# Allegro board SG2042_EVB_V2_0.brd (continued)
## Nets (continued)
ASM2812_PCIE_TX0_N: C6259.1 U1.BR45
ASM2812_PCIE_TX0_P: C6258.1 U1.BT45
ASM2812_PCIE_TX1_N: C6261.1 U1.BN44
ASM2812_PCIE_TX1_P: C6260.1 U1.BP44
ASM2812_PCIE_TX2_N: C6263.1 U1.BR43
ASM2812_PCIE_TX2_P: C6262.1 U1.BT43
ASM2812_PCIE_TX3_N: C6265.1 U1.BN42
ASM2812_PCIE_TX3_P: C6264.1 U1.BP42
ASM2812_PCIE_TX4_N: C6267.1 U1.BR41
ASM2812_PCIE_TX4_P: C6266.1 U1.BT41
ASM2812_PCIE_TX5_N: C6269.1 U1.BN40
ASM2812_PCIE_TX5_P: C6268.1 U1.BP40
ASM2812_PCIE_TX6_N: C6271.1 U1.BR39
ASM2812_PCIE_TX6_P: C6270.1 U1.BT39
ASM2812_PCIE_TX7_N: C6273.1 U1.BN38
ASM2812_PCIE_TX7_P: C6272.1 U1.BP38
ASM2812_VCC3.3V: C5687.1 C5732.1 C5733.1 C5734.1 C5735.1 C5736.1 C5737.1 FB2029.2 R12509.1 R12510.2 R12512.2 R12513.2 R12514.1 R12517.2 R12518.2 R12718.2 R12719.2 R12720.2 R13030.2 U3235.A19 U3235.AA8 U3235.AA9 U3235.B19 U3235.C19 U3235.D19 U3235.E19 U3235.F19 U3235.W22 U3235.Y22 U3236.8
BISR_BYP: R117.1 R131.2 U1.D41
BOOT_SEL0: R104.1 R119.2 U1.J17
BOOT_SEL1: R112.1 R120.2 U1.C16
BOOT_SEL2: R108.1 R121.2 U1.H16
BOOT_SEL3: R111.1 R122.2 U1.B16
BOOT_SEL4: R113.1 R123.2 U1.J16
BOOT_SEL5: R116.1 R125.2 U1.D16
BOOT_SEL6: R109.1 R126.2 U1.G18
BOOT_SEL7: R106.1 R127.2 U1.F17
CLKIN_SEL0: R2111.2 R2112.1 U17.15
CLKIN_SEL1: R2113.2 R2114.1 U17.18
CORPOWER_OK: R2067.1 R2075.2
CS0: R2537.2 U3262.31
CS1: R2563.2 U3263.31
CS2: R2564.2 U3264.31
CS3: R2565.2 U3265.31
CS4: R2566.2 U3266.31
CS5: R2567.2 U3267.31
CS6: R2555.2 U3268.31
DAC_VDD12A: C6172.1 C6173.1 C6176.1 C6177.1 C6181.1 C6189.1 C6197.1 C6198.1 C6199.1 C6200.1 C6201.1 C6207.1 C6208.1 C6209.1 C6211.1 C6224.1 C6225.2 C6226.2 L1037.2 R12973.2 R12986.2 T100.1(TP) U3273.A8 U3273.A10 U3273.B8 U3273.B10 U3273.B17 U3273.B21 U3273.C9 U3273.J10 U3273.J11 U3273.K10 U3273.L10 U3273.M10 U3273.N10 U3273.N11 U3273.P10 U3273.P11 U3273.P18 U3273.P23 U3273.R11 U3273.U21
DDR0_ACT_N: J1.62 U1.BB55
DDR0_ALERT_N: J1.208 R2241.1 U1.AV51
DDR0_ATB0: T11.1(TP) U1.BD48
DDR0_ATB1: T12.1(TP) U1.BC48
DDR0_BA0: J1.81 U1.BE55
DDR0_BA1: J1.224 U1.BD54
DDR0_BG0: J1.63 U1.BC55
DDR0_BG1: J1.207 U1.AV52
DDR0_CAL_0: R701.1 T10.1(TP) U1.BA49
DDR0_CID0: J1.93 U1.BG52
DDR0_CID1: J1.237 U1.BF51
DDR0_CKE0: J1.60 U1.AU50
DDR0_CKE1: J1.203 U1.AU51
DDR0_CLK0_N: J1.75 U1.BB52
DDR0_CLK0_P: J1.74 U1.BB53
DDR0_CLK1_N: J1.219 U1.BC53
DDR0_CLK1_P: J1.218 U1.BC54
DDR0_CS_N0: J1.84 U1.BF56
DDR0_CS_N1: J1.89 U1.BG55
DDR0_DM0_N: J1.8 U1.AJ55
DDR0_DM0_P: J1.7 U1.AJ56
DDR0_DM1_N: J1.19 U1.AP56
DDR0_DM1_P: J1.18 U1.AP55
DDR0_DM2_N: J1.30 U1.AK49
DDR0_DM2_P: J1.29 U1.AK50
DDR0_DM3_N: J1.41 U1.AP52
DDR0_DM3_P: J1.40 U1.AP51
DDR0_DM4_N: J1.100 U1.BJ54
DDR0_DM4_P: J1.99 U1.BJ53
DDR0_DM5_N: J1.111 U1.BT54
DDR0_DM5_P: J1.110 U1.BR54
DDR0_DM6_N: J1.122 U1.BJ49
DDR0_DM6_P: J1.121 U1.BJ50
DDR0_DM7_N: J1.133 U1.BT49
DDR0_DM7_P: J1.132 U1.BR49
DDR0_DQ0: J1.5 U1.AL53
DDR0_DQ1: J1.150 U1.AL55
DDR0_DQ2: J1.12 U1.AK56
DDR0_DQ3: J1.157 U1.AL56
DDR0_DQ4: J1.3 U1.AG54
DDR0_DQ5: J1.148 U1.AH53
DDR0_DQ6: J1.10 U1.AG55
DDR0_DQ7: J1.155 U1.AH55
DDR0_DQ8: J1.16 U1.AN53
DDR0_DQ9: J1.161 U1.AT53
DDR0_DQ10: J1.23 U1.AT55
DDR0_DQ11: J1.168 U1.AT56
DDR0_DQ12: J1.14 U1.AM55
DDR0_DQ13: J1.159 U1.AM54
DDR0_DQ14: J1.21 U1.AN55
DDR0_DQ15: J1.166 U1.AR56
DDR0_DQ16: J1.27 U1.AL51
DDR0_DQ17: J1.172 U1.AL49
DDR0_DQ18: J1.34 U1.AK52
DDR0_DQ19: J1.179 U1.AL52
DDR0_DQ20: J1.25 U1.AG50
DDR0_DQ21: J1.170 U1.AH49
DDR0_DQ22: J1.32 U1.AH51
DDR0_DQ23: J1.177 U1.AG52
DDR0_DQ24: J1.38 U1.AT49
DDR0_DQ25: J1.183 U1.AT51
DDR0_DQ26: J1.45 U1.AR52
DDR0_DQ27: J1.190 U1.AT52
DDR0_DQ28: J1.36 U1.AM50
DDR0_DQ29: J1.181 U1.AN49
DDR0_DQ30: J1.43 U1.AM52
DDR0_DQ31: J1.188 U1.AN51
DDR0_DQ32: J1.97 U1.BJ56
DDR0_DQ33: J1.242 U1.BH56
DDR0_DQ34: J1.104 U1.BH55
DDR0_DQ35: J1.249 U1.BH53
DDR0_DQ36: J1.95 U1.BL53
DDR0_DQ37: J1.240 U1.BL55
DDR0_DQ38: J1.102 U1.BM55
DDR0_DQ39: J1.247 U1.BM54
DDR0_DQ40: J1.108 U1.BN55
DDR0_DQ41: J1.253 U1.BP56
DDR0_DQ42: J1.115 U1.BR56
DDR0_DQ43: J1.260 U1.BR55
DDR0_DQ44: J1.106 U1.BN52
DDR0_DQ45: J1.251 U1.BR52
DDR0_DQ46: J1.113 U1.BT53
DDR0_DQ47: J1.258 U1.BT52
DDR0_DQ48: J1.119 U1.BH51
DDR0_DQ49: J1.264 U1.BH52
DDR0_DQ50: J1.126 U1.BJ52
DDR0_DQ51: J1.271 U1.BL51
DDR0_DQ52: J1.117 U1.BH49
DDR0_DQ53: J1.262 U1.BM50
DDR0_DQ54: J1.124 U1.BL49
DDR0_DQ55: J1.269 U1.BM52
DDR0_DQ56: J1.130 U1.BP51
DDR0_DQ57: J1.275 U1.BN50
DDR0_DQ58: J1.137 U1.BR51
DDR0_DQ59: J1.282 U1.BR50
DDR0_DQ60: J1.128 U1.BN47
DDR0_DQ61: J1.273 U1.BR47
DDR0_DQ62: J1.135 U1.BT48
DDR0_DQ63: J1.280 U1.BT47
DDR0_DQS0_N: J1.152 U1.AK53
DDR0_DQS0_P: J1.153 U1.AK54
DDR0_DQS1_N: J1.163 U1.AR54
DDR0_DQS1_P: J1.164 U1.AR53
DDR0_DQS2_N: J1.174 U1.AJ51
DDR0_DQS2_P: J1.175 U1.AJ52
DDR0_DQS3_N: J1.185 U1.AR50
DDR0_DQS3_P: J1.186 U1.AR49
DDR0_DQS4_N: J1.244 U1.BK56
DDR0_DQS4_P: J1.245 U1.BK55
DDR0_DQS5_N: J1.255 U1.BP53
DDR0_DQS5_P: J1.256 U1.BN53
DDR0_DQS6_N: J1.266 U1.BK52
DDR0_DQS6_P: J1.267 U1.BK51
DDR0_DQS7_N: J1.277 U1.BN48
DDR0_DQS7_P: J1.278 U1.BP48
DDR0_ECC_DM_N: J1.52 U1.AY53
DDR0_ECC_DM_P: J1.51 U1.AY54
DDR0_ECC_DQ0: J1.49 U1.AV53
DDR0_ECC_DQ1: J1.194 U1.AU54
DDR0_ECC_DQ2: J1.56 U1.AU55
DDR0_ECC_DQ3: J1.201 U1.AV55
DDR0_ECC_DQ4: J1.47 U1.BA53
DDR0_ECC_DQ5: J1.192 U1.BA55
DDR0_ECC_DQ6: J1.54 U1.AY56
DDR0_ECC_DQ7: J1.199 U1.BA56
DDR0_ECC_DQS_N: J1.196 U1.AW56
DDR0_ECC_DQS_P: J1.197 U1.AW55
DDR0_EVENT_N: J1.78 R1.1 R2386.2
DDR0_EVENT_N_L: R597.2 U2010.1
DDR0_MA0: J1.79 U1.BD52
DDR0_MA1: J1.72 U1.BC51
DDR0_MA2: J1.216 U1.BE52
DDR0_MA3: J1.71 U1.BD51
DDR0_MA4: J1.214 U1.BA51
DDR0_MA5: J1.213 U1.AY50
DDR0_MA6: J1.69 U1.BC56
DDR0_MA7: J1.211 U1.AY51
DDR0_MA8: J1.68 U1.BC50
DDR0_MA9: J1.66 U1.AW50
DDR0_MA10: J1.225 U1.BE50
DDR0_MA11: J1.210 U1.AW52
DDR0_MA12: J1.65 U1.BB50
DDR0_MA13: J1.232 U1.BG51
DDR0_MA14: J1.228 U1.BE56
DDR0_MA15: J1.86 U1.BF54
DDR0_MA16: J1.82 U1.BE53
DDR0_MA17: J1.234 U1.BF50
DDR0_ODT0: J1.87 U1.BG54
DDR0_ODT1: J1.91 U1.BF53
DDR0_PAR: J1.222 U1.BD55
DDR0_PLL_TESTOUT_N: T14.1(TP) U1.BA48
DDR0_PLL_TESTOUT_P: T13.1(TP) U1.AY48
DDR0_RESET_N: J1.58 T9.1(TP) U1.BA52
DDR0_VDDPLL: C1450.1 FB14.1 U1.AL41
DDR0_VDDQCK: C1448.1 FB13.1 U1.AK41
DDR1_ACT_N: J2.62 U1.H55
DDR1_ALERT_N: J2.208 R2242.1 U1.J55
DDR1_ATB0: T17.1(TP) U1.R48
DDR1_ATB1: T18.1(TP) U1.P48
DDR1_BA0: J2.81 U1.L53
DDR1_BA1: J2.224 U1.L52
DDR1_BG0: J2.63 U1.J54
DDR1_BG1: J2.207 U1.H56
DDR1_CAL_0: R2383.1 T16.1(TP) U1.U48
DDR1_CID0: J2.93 U1.P50
DDR1_CID1: J2.237 U1.R51
DDR1_CKE0: J2.60 U1.G56
DDR1_CKE1: J2.203 U1.F54
DDR1_CLK0_N: J2.75 U1.J52
DDR1_CLK0_P: J2.74 U1.J51
DDR1_CLK1_N: J2.219 U1.K51
DDR1_CLK1_P: J2.218 U1.K50
DDR1_CS_N0: J2.84 U1.N53
DDR1_CS_N1: J2.89 U1.P53
DDR1_DM0_N: J2.8 U1.B45
DDR1_DM0_P: J2.7 U1.A45
DDR1_DM1_N: J2.19 U1.A50
DDR1_DM1_P: J2.18 U1.B50
DDR1_DM2_N: J2.30 U1.G44
DDR1_DM2_P: J2.29 U1.H44
DDR1_DM3_N: J2.41 U1.H49
DDR1_DM3_P: J2.40 U1.G49
DDR1_DM4_N: J2.100 U1.U54
DDR1_DM4_P: J2.99 U1.U53
DDR1_DM5_N: J2.111 U1.AB53
DDR1_DM5_P: J2.110 U1.AB54
DDR1_DM6_N: J2.122 U1.V51
DDR1_DM6_P: J2.121 U1.V52
DDR1_DM7_N: J2.133 U1.AC52
DDR1_DM7_P: J2.132 U1.AC51
DDR1_DQ0: J2.5 U1.D47
DDR1_DQ1: J2.150 U1.B47
DDR1_DQ2: J2.12 U1.A46
DDR1_DQ3: J2.157 U1.A47
DDR1_DQ4: J2.3 U1.B43
DDR1_DQ5: J2.148 U1.B44
DDR1_DQ6: J2.10 U1.C43
DDR1_DQ7: J2.155 U1.D44
DDR1_DQ8: J2.16 U1.D52
DDR1_DQ9: J2.161 U1.B52
DDR1_DQ10: J2.23 U1.A51
DDR1_DQ11: J2.168 U1.A52
DDR1_DQ12: J2.14 U1.B48
DDR1_DQ13: J2.159 U1.B49
DDR1_DQ14: J2.21 U1.C48
DDR1_DQ15: J2.166 U1.D49
DDR1_DQ16: J2.27 U1.E47
DDR1_DQ17: J2.172 U1.F46
DDR1_DQ18: J2.34 U1.H46
DDR1_DQ19: J2.179 U1.G47
DDR1_DQ20: J2.25 U1.E43
DDR1_DQ21: J2.170 U1.E44
DDR1_DQ22: J2.32 U1.F43
DDR1_DQ23: J2.177 U1.H43
DDR1_DQ24: J2.38 U1.F51
DDR1_DQ25: J2.183 U1.E52
DDR1_DQ26: J2.45 U1.H51
DDR1_DQ27: J2.190 U1.G52
DDR1_DQ28: J2.36 U1.F48
DDR1_DQ29: J2.181 U1.H48
DDR1_DQ30: J2.43 U1.E49
DDR1_DQ31: J2.188 U1.E48
DDR1_DQ32: J2.97 U1.U56
DDR1_DQ33: J2.242 U1.T56
DDR1_DQ34: J2.104 U1.T55
DDR1_DQ35: J2.249 U1.T53
DDR1_DQ36: J2.95 U1.W53
DDR1_DQ37: J2.240 U1.Y54
DDR1_DQ38: J2.102 U1.W55
DDR1_DQ39: J2.247 U1.Y55
DDR1_DQ40: J2.108 U1.AA56
DDR1_DQ41: J2.253 U1.AA55
DDR1_DQ42: J2.115 U1.AD53
DDR1_DQ43: J2.260 U1.AA53
DDR1_DQ44: J2.106 U1.AB56
DDR1_DQ45: J2.251 U1.AE54
DDR1_DQ46: J2.113 U1.AD55
DDR1_DQ47: J2.258 U1.AE55
DDR1_DQ48: J2.119 U1.T51
DDR1_DQ49: J2.264 U1.T52
DDR1_DQ50: J2.126 U1.T49
DDR1_DQ51: J2.271 U1.W49
DDR1_DQ52: J2.117 U1.U52
DDR1_DQ53: J2.262 U1.W51
DDR1_DQ54: J2.124 U1.Y52
DDR1_DQ55: J2.269 U1.Y50
DDR1_DQ56: J2.130 U1.AA52
DDR1_DQ57: J2.275 U1.AA51
DDR1_DQ58: J2.137 U1.AD49
DDR1_DQ59: J2.282 U1.AA49
DDR1_DQ60: J2.128 U1.AB52
DDR1_DQ61: J2.273 U1.AE52
DDR1_DQ62: J2.135 U1.AD51
DDR1_DQ63: J2.280 U1.AE50
DDR1_DQS0_N: J2.152 U1.D46
DDR1_DQS0_P: J2.153 U1.C46
DDR1_DQS1_N: J2.163 U1.C51
DDR1_DQS1_P: J2.164 U1.D51
DDR1_DQS2_N: J2.174 U1.E45
DDR1_DQS2_P: J2.175 U1.F45
DDR1_DQS3_N: J2.185 U1.F50
DDR1_DQS3_P: J2.186 U1.E50
DDR1_DQS4_N: J2.244 U1.V56
DDR1_DQS4_P: J2.245 U1.V55
DDR1_DQS5_N: J2.255 U1.AC55
DDR1_DQS5_P: J2.256 U1.AC56
DDR1_DQS6_N: J2.266 U1.U50
DDR1_DQS6_P: J2.267 U1.U49
DDR1_DQS7_N: J2.277 U1.AB49
DDR1_DQS7_P: J2.278 U1.AB50
DDR1_ECC_DM_N: J2.52 U1.C55
DDR1_ECC_DM_P: J2.51 U1.C56
DDR1_ECC_DQ0: J2.49 U1.B55
DDR1_ECC_DQ1: J2.194 U1.A54
DDR1_ECC_DQ2: J2.56 U1.B53
DDR1_ECC_DQ3: J2.201 U1.E53
DDR1_ECC_DQ4: J2.47 U1.A55
DDR1_ECC_DQ5: J2.192 U1.E55
DDR1_ECC_DQ6: J2.54 U1.D56
DDR1_ECC_DQ7: J2.199 U1.E56
DDR1_ECC_DQS_N: J2.196 U1.D53
DDR1_ECC_DQS_P: J2.197 U1.D54
DDR1_EVENT_N: J2.78 R5.1 R2387.2
DDR1_EVENT_N_L: R598.2 U2010.3
DDR1_MA0: J2.79 U1.P55
DDR1_MA1: J2.72 U1.N56
DDR1_MA2: J2.216 U1.H53
DDR1_MA3: J2.71 U1.N54
DDR1_MA4: J2.214 U1.M55
DDR1_MA5: J2.213 U1.G54
DDR1_MA6: J2.69 U1.M54
DDR1_MA7: J2.211 U1.G53
DDR1_MA8: J2.68 U1.L55
DDR1_MA9: J2.66 U1.K54
DDR1_MA10: J2.225 U1.P56
DDR1_MA11: J2.210 U1.L56
DDR1_MA12: J2.65 U1.K56
DDR1_MA13: J2.232 U1.R54
DDR1_MA14: J2.228 U1.M51
DDR1_MA15: J2.86 U1.N51
DDR1_MA16: J2.82 U1.M52
DDR1_MA17: J2.234 U1.R55
DDR1_ODT0: J2.87 U1.N50
DDR1_ODT1: J2.91 U1.P52
DDR1_PAR: J2.222 U1.L50
DDR1_PLL_TESTOUT_N: T20.1(TP) U1.M49
DDR1_PLL_TESTOUT_P: T19.1(TP) U1.M48
DDR1_RESET_N: J2.58 T15.1(TP) U1.F55
DDR1_VDDPLL: C1454.1 FB16.1 U1.AC41
DDR01_VDDQ_1V2: C5.1 C6.1 C7.1 C8.1 C9.1 C10.1 C11.1 C12.1 C13.1 C25.1 C26.1 C27.1 C28.1 C29.1 C30.1 C31.1 C32.1 C33.1 C181.2 C182.2 C183.2 C184.2 C185.2 C186.2 C187.2 C188.2 C189.2 C190.2 C191.2 C192.2 C193.2 C194.2 C195.2 C196.2 C197.2 C198.2 C199.2 C200.2 C201.2 C202.2 C203.2 C204.2 C205.2 C206.2 C207.2 C208.2 C209.2 C210.2 C211.2 C212.2 C213.2 C214.2 C215.2 C216.2 C217.2 C218.2 C219.2 C220.2 C221.2 C222.2 C223.2 C224.2 C225.2 C226.2 C227.2 C228.2 C229.2 C230.2 C231.2 C232.2 C233.2 C234.2 C235.2 C236.2 C237.2 C238.2 C239.2 C240.2 C241.2 C242.2 C243.2 C244.2 C245.2 C246.2 C247.2 C248.2 C249.2 C250.2 C251.2 C252.2 C253.2 C254.2 C255.2 C256.2 C257.2 C258.2 C259.2 C260.2 C261.2 C262.2 C263.2 C264.2 C265.2 C266.2 C267.2 C1422.1 C3154.1 C6106.1 C6107.1 C6108.2 C6129.2 C6130.2 DDR_VDDQ_A0.1(TP) FB13.2 FB15.2 J1.59 J1.61 J1.64 J1.67 J1.70 J1.73 J1.76 J1.80 J1.83 J1.85 J1.88 J1.90 J1.92 J1.204 J1.206 J1.209 J1.212 J1.215 J1.217 J1.220 J1.223 J1.226 J1.229 J1.231 J1.233 J1.236 J2.59 J2.61 J2.64 J2.67 J2.70 J2.73 J2.76 J2.80 J2.83 J2.85 J2.88 J2.90 J2.92 J2.204 J2.206 J2.209 J2.212 J2.215 J2.217 J2.220 J2.223 J2.226 J2.229 J2.231 J2.233 J2.236 L1031.2 R445.1 R489.2 R491.2 R2241.2 R2242.2 R12849.2 U1.AA45 U1.AA47 U1.AB46 U1.AC45 U1.AC47 U1.AD46 U1.AE45 U1.AE47 U1.AF46 U1.AG45 U1.AG47 U1.AH46 U1.AJ45 U1.AJ47 U1.AK46 U1.AL45 U1.AL47 U1.AM46 U1.AN45 U1.AN47 U1.AP46 U1.AP48 U1.AR45 U1.AR47 U1.AT46 U1.AT48 U1.AU45 U1.AU47 U1.AU49 U1.AV46 U1.AV48 U1.AW45 U1.AW47 U1.AW49 U1.AW51 U1.AY46 U1.BA45 U1.BA47 U1.BB46 U1.BB51 U1.BC45 U1.BC47 U1.BC49 U1.BD46 U1.BD50 U1.BD53 U1.BE45 U1.BE47 U1.BE49 U1.BF46 U1.BF48 U1.BF52 U1.BF55 U1.BG47 U1.BG49 U1.BH46 U1.BH48 U1.J45 U1.J47 U1.J49 U1.J56 U1.K46 U1.K48 U1.K53 U1.L45 U1.L47 U1.L49 U1.L51 U1.L54 U1.M46 U1.N45 U1.N47 U1.N49 U1.N52 U1.N55 U1.P46 U1.R45 U1.R47 U1.R50 U1.R53 U1.T46 U1.U45 U1.U47 U1.V46 U1.V48 U1.W45 U1.W47 U1.Y46 U47.2
DDR1_VDDQCK: C1452.1 FB15.1 U1.AB41
DDR01_VPP_2V5: C1.1 C2.1 C3.1 C4.1 C21.1 C22.1 C23.1 C24.1 C6109.2 C6113.2 C6114.2 C6115.2 C6116.2 DDR_VPP_A0.1(TP) J1.142 J1.143 J1.284 J1.286 J1.287 J1.288 J2.142 J2.143 J2.284 J2.286 J2.287 J2.288 L1032.2 R1.2 R5.2 R8.2 R12840.2
DDR01_VTT_0V6: C14.1 C15.1 C16.1 C17.1 C34.1 C35.1 C36.1 C37.1 C1424.1 C1425.1 C1426.1 J1.77 J1.221 J2.77 J2.221 R450.2 T63.1(TP) U47.3
DDR2_ACT_N: J3.62 U1.BB2
DDR2_ALERT_N: J3.208 R2243.1 U1.AV6
DDR2_ATB0: T23.1(TP) U1.BD9
DDR2_ATB1: T24.1(TP) U1.BC9
DDR2_BA0: J3.81 U1.BE2
DDR2_BA1: J3.224 U1.BD3
DDR2_BG0: J3.63 U1.BC2
DDR2_BG1: J3.207 U1.AV5
DDR2_CAL_0: R2384.1 T22.1(TP) U1.BA8
DDR2_CID0: J3.93 U1.BG5
DDR2_CID1: J3.237 U1.BF6
DDR2_CKE0: J3.60 U1.AU7
DDR2_CKE1: J3.203 U1.AU6
DDR2_CLK0_N: J3.75 U1.BB5
DDR2_CLK0_P: J3.74 U1.BB4
DDR2_CLK1_N: J3.219 U1.BC4
DDR2_CLK1_P: J3.218 U1.BC3
DDR2_CS_N0: J3.84 U1.BF1
DDR2_CS_N1: J3.89 U1.BG2
DDR2_DM0_N: J3.8 U1.AJ2
DDR2_DM0_P: J3.7 U1.AJ1
DDR2_DM1_N: J3.19 U1.AP1
DDR2_DM1_P: J3.18 U1.AP2
DDR2_DM2_N: J3.30 U1.AK8
DDR2_DM2_P: J3.29 U1.AK7
DDR2_DM3_N: J3.41 U1.AP5
DDR2_DM3_P: J3.40 U1.AP6
DDR2_DM4_N: J3.100 U1.BJ3
DDR2_DM4_P: J3.99 U1.BJ4
DDR2_DM5_N: J3.111 U1.BT3
DDR2_DM5_P: J3.110 U1.BR3
DDR2_DM6_N: J3.122 U1.BJ8
DDR2_DM6_P: J3.121 U1.BJ7
DDR2_DM7_N: J3.133 U1.BT8
DDR2_DM7_P: J3.132 U1.BR8
DDR2_DQ0: J3.5 U1.AL4
DDR2_DQ1: J3.150 U1.AL2
DDR2_DQ2: J3.12 U1.AK1
DDR2_DQ3: J3.157 U1.AL1
DDR2_DQ4: J3.3 U1.AG3
DDR2_DQ5: J3.148 U1.AH4
DDR2_DQ6: J3.10 U1.AG2
DDR2_DQ7: J3.155 U1.AH2
DDR2_DQ8: J3.16 U1.AN4
DDR2_DQ9: J3.161 U1.AT4
DDR2_DQ10: J3.23 U1.AT2
DDR2_DQ11: J3.168 U1.AT1
DDR2_DQ12: J3.14 U1.AM2
DDR2_DQ13: J3.159 U1.AM3
DDR2_DQ14: J3.21 U1.AN2
DDR2_DQ15: J3.166 U1.AR1
DDR2_DQ16: J3.27 U1.AL8
DDR2_DQ17: J3.172 U1.AL6
DDR2_DQ18: J3.34 U1.AK5
DDR2_DQ19: J3.179 U1.AL5
DDR2_DQ20: J3.25 U1.AG7
DDR2_DQ21: J3.170 U1.AH8
DDR2_DQ22: J3.32 U1.AH6
DDR2_DQ23: J3.177 U1.AG5
DDR2_DQ24: J3.38 U1.AT8
DDR2_DQ25: J3.183 U1.AT6
DDR2_DQ26: J3.45 U1.AR5
DDR2_DQ27: J3.190 U1.AT5
DDR2_DQ28: J3.36 U1.AM7
DDR2_DQ29: J3.181 U1.AN8
DDR2_DQ30: J3.43 U1.AM5
DDR2_DQ31: J3.188 U1.AN6
DDR2_DQ32: J3.97 U1.BH1
DDR2_DQ33: J3.242 U1.BJ1
DDR2_DQ34: J3.104 U1.BH2
DDR2_DQ35: J3.249 U1.BH4
DDR2_DQ36: J3.95 U1.BL4
DDR2_DQ37: J3.240 U1.BL2
DDR2_DQ38: J3.102 U1.BM2
DDR2_DQ39: J3.247 U1.BM3
DDR2_DQ40: J3.108 U1.BN2
DDR2_DQ41: J3.253 U1.BP1
DDR2_DQ42: J3.115 U1.BR1
DDR2_DQ43: J3.260 U1.BR2
DDR2_DQ44: J3.106 U1.BN5
DDR2_DQ45: J3.251 U1.BR5
DDR2_DQ46: J3.113 U1.BT5
DDR2_DQ47: J3.258 U1.BT4
DDR2_DQ48: J3.119 U1.BH5
DDR2_DQ49: J3.264 U1.BH6
DDR2_DQ50: J3.126 U1.BJ5
DDR2_DQ51: J3.271 U1.BL6
DDR2_DQ52: J3.117 U1.BH8
DDR2_DQ53: J3.262 U1.BM7
DDR2_DQ54: J3.124 U1.BL8
DDR2_DQ55: J3.269 U1.BM5
DDR2_DQ56: J3.130 U1.BP6
DDR2_DQ57: J3.275 U1.BN7
DDR2_DQ58: J3.137 U1.BR6
DDR2_DQ59: J3.282 U1.BR7
DDR2_DQ60: J3.128 U1.BN10
DDR2_DQ61: J3.273 U1.BR10
DDR2_DQ62: J3.135 U1.BT10
DDR2_DQ63: J3.280 U1.BT9
DDR2_DQS0_N: J3.152 U1.AK4
DDR2_DQS0_P: J3.153 U1.AK3
DDR2_DQS1_N: J3.163 U1.AR3
DDR2_DQS1_P: J3.164 U1.AR4
DDR2_DQS2_N: J3.174 U1.AJ6
DDR2_DQS2_P: J3.175 U1.AJ5
DDR2_DQS3_N: J3.185 U1.AR7
DDR2_DQS3_P: J3.186 U1.AR8
DDR2_DQS4_N: J3.244 U1.BK1
DDR2_DQS4_P: J3.245 U1.BK2
DDR2_DQS5_N: J3.255 U1.BP4
DDR2_DQS5_P: J3.256 U1.BN4
DDR2_DQS6_N: J3.266 U1.BK5
DDR2_DQS6_P: J3.267 U1.BK6
DDR2_DQS7_N: J3.277 U1.BN9
DDR2_DQS7_P: J3.278 U1.BP9
DDR2_ECC_DM_N: J3.52 U1.AY4
DDR2_ECC_DM_P: J3.51 U1.AY3
DDR2_ECC_DQ0: J3.49 U1.AU3
DDR2_ECC_DQ1: J3.194 U1.AV4
DDR2_ECC_DQ2: J3.56 U1.AU2
DDR2_ECC_DQ3: J3.201 U1.AV2
DDR2_ECC_DQ4: J3.47 U1.BA4
DDR2_ECC_DQ5: J3.192 U1.BA2
DDR2_ECC_DQ6: J3.54 U1.AY1
DDR2_ECC_DQ7: J3.199 U1.BA1
DDR2_ECC_DQS_N: J3.196 U1.AW1
DDR2_ECC_DQS_P: J3.197 U1.AW2
DDR2_EVENT_N: J3.78 R9.1 R2388.2
DDR2_EVENT_N_L: R599.2 U2010.4
DDR2_MA0: J3.79 U1.BD5
DDR2_MA1: J3.72 U1.BC6
DDR2_MA2: J3.216 U1.BE5
DDR2_MA3: J3.71 U1.BD6
DDR2_MA4: J3.214 U1.BA6
DDR2_MA5: J3.213 U1.AY7
DDR2_MA6: J3.69 U1.BC1
DDR2_MA7: J3.211 U1.AY6
DDR2_MA8: J3.68 U1.BC7
DDR2_MA9: J3.66 U1.AW7
DDR2_MA10: J3.225 U1.BE7
DDR2_MA11: J3.210 U1.AW5
DDR2_MA12: J3.65 U1.BB7
DDR2_MA13: J3.232 U1.BG6
DDR2_MA14: J3.228 U1.BE1
DDR2_MA15: J3.86 U1.BF3
DDR2_MA16: J3.82 U1.BE4
DDR2_MA17: J3.234 U1.BF7
DDR2_ODT0: J3.87 U1.BG3
DDR2_ODT1: J3.91 U1.BF4
DDR2_PAR: J3.222 U1.BD2
DDR2_PLL_TESTOUT_N: T26.1(TP) U1.BA9
DDR2_PLL_TESTOUT_P: T25.1(TP) U1.AY9
DDR2_RESET_N: J3.58 T21.1(TP) U1.BA5
DDR2_VDDPLL: C1458.1 FB18.1 U1.AL16
DDR2_VDDQCK: C1456.1 FB17.1 U1.AK16
DDR3_ACT_N: J4.62 U1.H2
DDR3_ALERT_N: J4.208 R2244.1 U1.J2
DDR3_ATB0: T29.1(TP) U1.R9
DDR3_ATB1: T30.1(TP) U1.P9
DDR3_BA0: J4.81 U1.L4
DDR3_BA1: J4.224 U1.L5
DDR3_BG0: J4.63 U1.J3
DDR3_BG1: J4.207 U1.H1
DDR3_CAL_0: R2385.1 T28.1(TP) U1.U9
DDR3_CID0: J4.93 U1.P7
DDR3_CID1: J4.237 U1.R6
DDR3_CKE0: J4.60 U1.G1
DDR3_CKE1: J4.203 U1.F3
DDR3_CLK0_N: J4.75 U1.J5
DDR3_CLK0_P: J4.74 U1.J6
DDR3_CLK1_N: J4.219 U1.K6
DDR3_CLK1_P: J4.218 U1.K7
DDR3_CS_N0: J4.84 U1.N4
DDR3_CS_N1: J4.89 U1.P4
DDR3_DM0_N: J4.8 U1.B12
DDR3_DM0_P: J4.7 U1.A12
DDR3_DM1_N: J4.19 U1.A7
DDR3_DM1_P: J4.18 U1.B7
DDR3_DM2_N: J4.30 U1.G13
DDR3_DM2_P: J4.29 U1.H13
DDR3_DM3_N: J4.41 U1.H8
DDR3_DM3_P: J4.40 U1.G8
DDR3_DM4_N: J4.100 U1.U3
DDR3_DM4_P: J4.99 U1.U4
DDR3_DM5_N: J4.111 U1.AB4
DDR3_DM5_P: J4.110 U1.AB3
DDR3_DM6_N: J4.122 U1.V6
DDR3_DM6_P: J4.121 U1.V5
DDR3_DM7_N: J4.133 U1.AC5
DDR3_DM7_P: J4.132 U1.AC6
DDR3_DQ0: J4.5 U1.D10
DDR3_DQ1: J4.150 U1.B10
DDR3_DQ2: J4.12 U1.A11
DDR3_DQ3: J4.157 U1.A10
DDR3_DQ4: J4.3 U1.B13
DDR3_DQ5: J4.148 U1.B14
DDR3_DQ6: J4.10 U1.C14
DDR3_DQ7: J4.155 U1.D13
DDR3_DQ8: J4.16 U1.D5
DDR3_DQ9: J4.161 U1.B5
DDR3_DQ10: J4.23 U1.A6
DDR3_DQ11: J4.168 U1.A5
DDR3_DQ12: J4.14 U1.B9
DDR3_DQ13: J4.159 U1.B8
DDR3_DQ14: J4.21 U1.C9
DDR3_DQ15: J4.166 U1.D8
DDR3_DQ16: J4.27 U1.F11
DDR3_DQ17: J4.172 U1.E10
DDR3_DQ18: J4.34 U1.H11
DDR3_DQ19: J4.179 U1.G10
DDR3_DQ20: J4.25 U1.E13
DDR3_DQ21: J4.170 U1.E14
DDR3_DQ22: J4.32 U1.F14
DDR3_DQ23: J4.177 U1.H14
DDR3_DQ24: J4.38 U1.F6
DDR3_DQ25: J4.183 U1.E5
DDR3_DQ26: J4.45 U1.H6
DDR3_DQ27: J4.190 U1.G5
DDR3_DQ28: J4.36 U1.H9
DDR3_DQ29: J4.181 U1.F9
DDR3_DQ30: J4.43 U1.E8
DDR3_DQ31: J4.188 U1.E9
DDR3_DQ32: J4.97 U1.T1
DDR3_DQ33: J4.242 U1.U1
DDR3_DQ34: J4.104 U1.T2
DDR3_DQ35: J4.249 U1.T4
DDR3_DQ36: J4.95 U1.W4
DDR3_DQ37: J4.240 U1.Y3
DDR3_DQ38: J4.102 U1.Y2
DDR3_DQ39: J4.247 U1.W2
DDR3_DQ40: J4.108 U1.AA1
DDR3_DQ41: J4.253 U1.AA2
DDR3_DQ42: J4.115 U1.AD4
DDR3_DQ43: J4.260 U1.AA4
DDR3_DQ44: J4.106 U1.AB1
DDR3_DQ45: J4.251 U1.AE3
DDR3_DQ46: J4.113 U1.AE2
DDR3_DQ47: J4.258 U1.AD2
DDR3_DQ48: J4.119 U1.T5
DDR3_DQ49: J4.264 U1.T6
DDR3_DQ50: J4.126 U1.T8
DDR3_DQ51: J4.271 U1.W8
DDR3_DQ52: J4.117 U1.U5
DDR3_DQ53: J4.262 U1.W6
DDR3_DQ54: J4.124 U1.Y5
DDR3_DQ55: J4.269 U1.Y7
DDR3_DQ56: J4.130 U1.AA5
DDR3_DQ57: J4.275 U1.AA6
DDR3_DQ58: J4.137 U1.AA8
DDR3_DQ59: J4.282 U1.AD8
DDR3_DQ60: J4.128 U1.AB5
DDR3_DQ61: J4.273 U1.AE5
DDR3_DQ62: J4.135 U1.AE7
DDR3_DQ63: J4.280 U1.AD6
DDR3_DQS0_N: J4.152 U1.D11
DDR3_DQS0_P: J4.153 U1.C11
DDR3_DQS1_N: J4.163 U1.C6
DDR3_DQS1_P: J4.164 U1.D6
DDR3_DQS2_N: J4.174 U1.E12
DDR3_DQS2_P: J4.175 U1.F12
DDR3_DQS3_N: J4.185 U1.F7
DDR3_DQS3_P: J4.186 U1.E7
DDR3_DQS4_N: J4.244 U1.V1
DDR3_DQS4_P: J4.245 U1.V2
DDR3_DQS5_N: J4.255 U1.AC2
DDR3_DQS5_P: J4.256 U1.AC1
DDR3_DQS6_N: J4.266 U1.U7
DDR3_DQS6_P: J4.267 U1.U8
DDR3_DQS7_N: J4.277 U1.AB8
DDR3_DQS7_P: J4.278 U1.AB7
DDR3_ECC_DM_N: J4.52 U1.C2
DDR3_ECC_DM_P: J4.51 U1.C1
DDR3_ECC_DQ0: J4.49 U1.A3
DDR3_ECC_DQ1: J4.194 U1.B2
DDR3_ECC_DQ2: J4.56 U1.B4
DDR3_ECC_DQ3: J4.201 U1.E4
DDR3_ECC_DQ4: J4.47 U1.A2
DDR3_ECC_DQ5: J4.192 U1.E2
DDR3_ECC_DQ6: J4.54 U1.D1
DDR3_ECC_DQ7: J4.199 U1.E1
DDR3_ECC_DQS_N: J4.196 U1.D4
DDR3_ECC_DQS_P: J4.197 U1.D3
DDR3_EVENT_N: J4.78 R13.1 R2389.2
DDR3_EVENT_N_L: R600.2 U2010.5
DDR3_MA0: J4.79 U1.P2
DDR3_MA1: J4.72 U1.N1
DDR3_MA2: J4.216 U1.H4
DDR3_MA3: J4.71 U1.N3
DDR3_MA4: J4.214 U1.M2
DDR3_MA5: J4.213 U1.G3
DDR3_MA6: J4.69 U1.M3
DDR3_MA7: J4.211 U1.G4
DDR3_MA8: J4.68 U1.L2
DDR3_MA9: J4.66 U1.K3
DDR3_MA10: J4.225 U1.P1
DDR3_MA11: J4.210 U1.L1
DDR3_MA12: J4.65 U1.K1
DDR3_MA13: J4.232 U1.R3
DDR3_MA14: J4.228 U1.M6
DDR3_MA15: J4.86 U1.N6
DDR3_MA16: J4.82 U1.M5
DDR3_MA17: J4.234 U1.R2
DDR3_ODT0: J4.87 U1.N7
DDR3_ODT1: J4.91 U1.P5
DDR3_PAR: J4.222 U1.L7
DDR3_PLL_TESTOUT_N: T32.1(TP) U1.M8
DDR3_PLL_TESTOUT_P: T31.1(TP) U1.M9
DDR3_RESET_N: J4.58 T27.1(TP) U1.F2
DDR3_VDDPLL: C1462.1 FB20.1 U1.AC16
DDR3_VDDQCK: C1460.1 FB19.1 U1.AB16
DDR23_VDDQ_1V2: C45.1 C46.1 C47.1 C48.1 C49.1 C50.1 C51.1 C52.1 C53.1 C65.1 C66.1 C67.1 C68.1 C69.1 C70.1 C71.1 C72.1 C73.1 C281.2 C282.2 C283.2 C284.2 C285.2 C286.2 C287.2 C288.2 C289.2 C290.2 C291.2 C292.2 C293.2 C294.2 C295.2 C296.2 C297.2 C298.2 C299.2 C300.2 C301.2 C302.2 C303.2 C304.2 C305.2 C306.2 C307.2 C308.2 C309.2 C310.2 C311.2 C312.2 C313.2 C314.2 C315.2 C316.2 C317.2 C318.2 C319.2 C320.2 C321.2 C322.2 C323.2 C324.2 C325.2 C326.2 C327.2 C328.2 C329.2 C330.2 C331.2 C332.2 C333.2 C334.2 C335.2 C336.2 C337.2 C338.2 C339.2 C340.2 C341.2 C342.2 C343.2 C344.2 C345.2 C346.2 C347.2 C348.2 C349.2 C350.2 C351.2 C352.2 C353.2 C354.2 C355.2 C356.2 C357.2 C358.2 C359.2 C360.2 C361.2 C362.2 C363.2 C364.2 C1538.1 C3155.1 C6121.1 C6122.1 C6123.2 C6138.2 C6140.2 DDR_VDDQ_A1.1(TP) FB17.2 FB19.2 J3.59 J3.61 J3.64 J3.67 J3.70 J3.73 J3.76 J3.80 J3.83 J3.85 J3.88 J3.90 J3.92 J3.204 J3.206 J3.209 J3.212 J3.215 J3.217 J3.220 J3.223 J3.226 J3.229 J3.231 J3.233 J3.236 J4.59 J4.61 J4.64 J4.67 J4.70 J4.73 J4.76 J4.80 J4.83 J4.85 J4.88 J4.90 J4.92 J4.204 J4.206 J4.209 J4.212 J4.215 J4.217 J4.220 J4.223 J4.226 J4.229 J4.231 J4.233 J4.236 L1033.2 R493.2 R495.2 R657.1 R2243.2 R2244.2 R12861.2 U1.AA10 U1.AA12 U1.AB11 U1.AC10 U1.AC12 U1.AD11 U1.AE10 U1.AE12 U1.AF11 U1.AG10 U1.AG12 U1.AH11 U1.AJ10 U1.AJ12 U1.AK11 U1.AL10 U1.AL12 U1.AM11 U1.AN10 U1.AN12 U1.AP9 U1.AP11 U1.AR10 U1.AR12 U1.AT9 U1.AT11 U1.AU8 U1.AU10 U1.AU12 U1.AV9 U1.AV11 U1.AW6 U1.AW8 U1.AW10 U1.AW12 U1.AY11 U1.BA10 U1.BA12 U1.BB6 U1.BB11 U1.BC8 U1.BC10 U1.BC12 U1.BD4 U1.BD7 U1.BD11 U1.BE8 U1.BE10 U1.BE12 U1.BF2 U1.BF5 U1.BF9 U1.BG8 U1.BG10 U1.BH9 U1.J1 U1.J8 U1.J10 U1.J12 U1.K4 U1.K9 U1.K11 U1.L3 U1.L6 U1.L8 U1.L10 U1.L12 U1.M11 U1.N2 U1.N5 U1.N8 U1.N10 U1.N12 U1.P11 U1.R4 U1.R7 U1.R10 U1.R12 U1.T11 U1.U10 U1.U12 U1.V9 U1.V11 U1.W10 U1.W12 U1.Y11 U56.2
DDR23_VPP_2V5: C41.1 C42.1 C43.1 C44.1 C61.1 C62.1 C63.1 C64.1 C3291.2 C6145.2 C6146.2 C6147.2 C6149.2 C6151.2 DDR_VPP_A1.1(TP) FB2017.1 J3.142 J3.143 J3.284 J3.286 J3.287 J3.288 J4.142 J4.143 J4.284 J4.286 J4.287 J4.288 L1034.2 R9.2 R11.2 R13.2 R15.2 R16.2 R12866.2
DDR23_VTT_0V6: C54.1 C55.1 C56.1 C57.1 C74.1 C75.1 C76.1 C77.1 C1535.1 C1536.1 C1537.1 J3.77 J3.221 J4.77 J4.221 R660.2 T62.1(TP) U56.3
DDR_REF: C6178.1 C6179.1 R12958.2 R12961.1 U3273.AA6 U3273.H1 U3273.U1
DDR_VDD_0V8: C81.2 C82.2 C83.2 C84.2 C85.2 C86.2 C87.2 C88.2 C89.2 C90.2 C91.2 C92.2 C93.2 C94.2 C95.2 C96.2 C97.2 C98.2 C99.2 C100.2 C101.2 C102.2 C103.2 C104.2 C105.2 C106.2 C107.2 C108.2 C109.2 C110.2 C111.2 C112.2 C113.2 C114.2 C115.2 C116.2 C117.2 C118.2 C119.2 C120.2 C121.2 C122.2 C123.2 C124.2 C125.2 C126.2 C127.2 C128.2 C129.2 C132.2 C133.2 C134.2 C135.2 C136.2 C137.2 C138.2 C139.2 C140.2 C141.2 C142.2 C143.2 C144.2 C145.2 C146.2 C147.2 C148.2 C149.2 C150.2 C151.2 C152.2 C153.2 C154.2 C155.2 C156.2 C157.2 C158.2 C159.2 C160.2 C161.2 C162.2 C163.2 C164.2 C165.2 C166.2 C167.2 C168.2 C169.2 C170.2 C171.2 C172.2 C173.2 C174.2 C175.2 C176.2 C177.2 C178.2 C179.2 C268.2 C269.2 C270.2 C271.2 C272.2 C3407.1 C3414.1 C3415.1 FB14.2 FB16.2 FB18.2 FB20.2 L45.2 P_DDR_VDD_0V8.1(TP) U1.AA14 U1.AA43 U1.AB13 U1.AB15 U1.AB42 U1.AB44 U1.AC14 U1.AC43 U1.AD13 U1.AD15 U1.AD42 U1.AD44 U1.AE14 U1.AE43 U1.AF13 U1.AF15 U1.AF42 U1.AF44 U1.AG14 U1.AG43 U1.AH13 U1.AH15 U1.AH42 U1.AH44 U1.AJ14 U1.AJ43 U1.AK13 U1.AK15 U1.AK42 U1.AK44 U1.AL14 U1.AL43 U1.AM13 U1.AM15 U1.AM42 U1.AM44 U1.AN14 U1.AN43 U1.AP13 U1.AP44 U1.AR14 U1.AR43 U1.AT13 U1.AT44 U1.AU14 U1.AU43 U1.AV13 U1.AV44 U1.AW14 U1.AW43 U1.AY13 U1.AY44 U1.BA14 U1.BA43 U1.BB13 U1.BB44 U1.BC14 U1.BC43 U1.BD13 U1.BD44 U1.BE14 U1.BE43 U1.K13 U1.K15 U1.K42 U1.K44 U1.L14 U1.L43 U1.M13 U1.M15 U1.M42 U1.M44 U1.N14 U1.N43 U1.P13 U1.P15 U1.P42 U1.P44 U1.R14 U1.R43 U1.T13 U1.T15 U1.T42 U1.T44 U1.U14 U1.U43 U1.V13 U1.V15 U1.V42 U1.V44 U1.W14 U1.W43 U1.Y13 U1.Y15 U1.Y42 U1.Y44 U202.23(VSEN1)
DEBUG27: R12518.1 R12523.1 U3235.AD24
DEBUG29: R12719.1 R12723.1 U3235.AF23
DEBUG30: R12718.1 R12722.1 U3235.AD23
DEBUG31: R12720.1 R12721.1 U3235.AB23
DIMM_SCL: R2082.1 R2084.1 R2086.1 R2088.1 R2248.2 R2255.1
DIMM_SDA: R2081.1 R2083.1 R2085.1 R2087.1 R2247.2 R2254.1
DM1: CON1100.11 D540.2 L1017.4 R12608.2
DM2: CON1100.2 D534.2 L1018.1 R12611.2
DM3: CON1101.11 D574.2 L1029.4 R12792.2
DM4: CON1101.2 D568.2 L1030.1 R12795.2
DM5: D606.2 J2047.U2 L1007.4 R12453.2
DM6: D608.2 J2047.U6 L1008.1 R12456.2
DP1: CON1100.12 D539.2 L1017.1 R12610.2
DP2: CON1100.3 D533.2 L1018.4 R12609.2
DP3: CON1101.12 D573.2 L1029.1 R12794.2
DP4: CON1101.3 D567.2 L1030.4 R12793.2
DP5: D607.2 J2047.U3 L1007.1 R12455.2
DP6: D609.2 J2047.U7 L1008.4 R12454.2
DPE_RSTN: C5690.1 R12506.1 R12531.1 R12536.1 R12539.1 R12552.1 R12577.1 R12584.1 R12816.1 R12905.2 R12953.2
EMMC_CD_X: R38.1 R1254.1
EMMC_CLK: R36.1 T8.1(TP) U2.M6
EMMC_CMD: R40.2 R1246.1 U2.M5
EMMC_DAT0: R31.2 R1247.1 U2.A3
EMMC_DAT1: R32.2 R1248.1 U2.A4